# Altium PCB TwoFoot_PCB_m4T1Top2.PcbDoc (part 8 of 9)
Units mil, origin at the board's own origin, x right, y up, seen from the top; angles counter-clockwise.
Board outline 2525.58 x 2682.53 mil, 2 copper layers (Top Layer, Bottom Layer); 83 components, 113 nets, 349 pads, 87 vias.
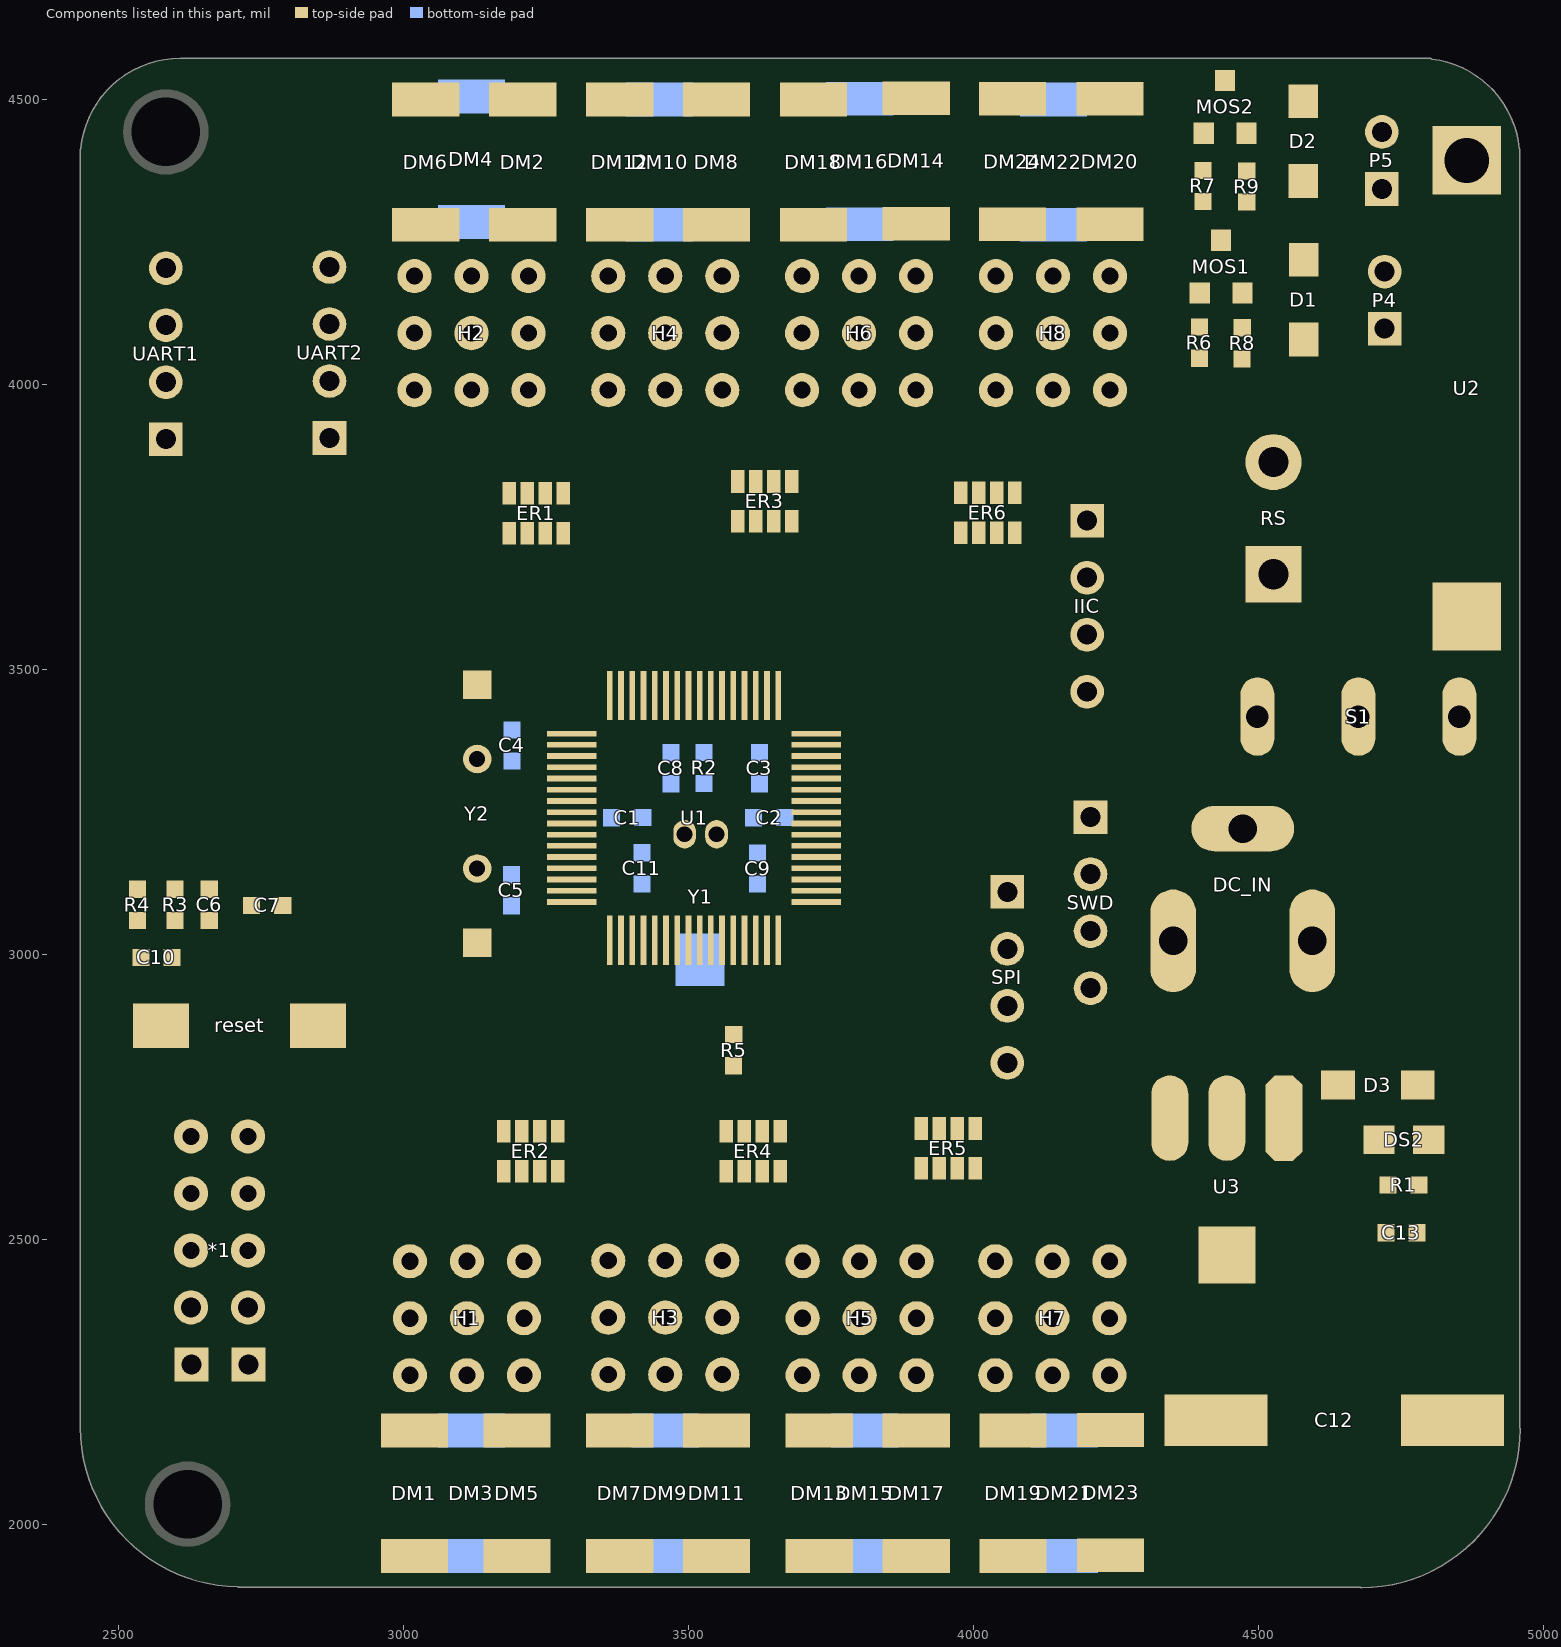
[diagram p8: the components of this part, seen from the top]

## Via types
v1: diameter 24, hole 12, Top Layer to Bottom Layer, 65 vias
v2: diameter 30, hole 20, Top Layer to Bottom Layer, 8 vias
v3: diameter 20, hole 15, Top Layer to Bottom Layer, 8 vias
v4: diameter 32, hole 15, Top Layer to Bottom Layer, 3 vias
v5: diameter 60, hole 45, Top Layer to Bottom Layer, 1 vias
v6: diameter 50, hole 35, Top Layer to Bottom Layer, 1 vias
v7: diameter 30, hole 15, Top Layer to Bottom Layer, 1 vias

## Nets (pads, with @x,y where several pads share a name; then routed paths per layer and width w, separated by ;. In a path a pad name is that pad's centre, name@x,y a point inside that pad or via, vN(x,y) a via of type N, cw(c..) or ccw(c..) an arc to the next point about the centre after c; other vN are vias at no path point) (continued)
copper on no net: (continued)
  Bottom Layer w1: 2536.6,3312.4 2550.6,3312.4 ; 2536.6,3313.4 2630.6,3313.4 ; 2536.6,3314.4 2630.6,3314.4 ; 2536.6,3315.4 2545.6,3315.4 ; 2536.6,3316.4 2543.6,3316.4 ; 2536.6,3317.4 2542.6,3317.4 ; 2536.6,3318.4 2542.6,3318.4 ; 2536.6,3319.4 2541.6,3319.4 ; 2536.6,3320.4 2539.6,3320.4 ; 2536.6,3321.4 2539.6,3321.4 ; 2536.6,3322.4 2539.6,3322.4 ; 2536.6,3323.4 2539.6,3323.4 ; 2536.6,3324.4 2538.6,3324.4 ; 2536.6,3325.4 2538.6,3325.4 ; 2536.6,3326.4 2538.6,3326.4 ; 2536.6,3327.4 2538.6,3327.4 ; 2536.6,3328.4 2538.6,3328.4 ; 2536.6,3329.4 2538.6,3329.4 ; 2536.6,3330.4 2538.6,3330.4 ; 2536.6,3331.4 2538.6,3331.4 ; 2536.6,3332.4 2538.6,3332.4 ; 2536.6,3333.4 2538.6,3333.4 ; 2536.6,3334.4 2538.6,3334.4 ; 2536.6,3335.4 2538.6,3335.4 ; 2536.6,3336.4 2538.6,3336.4 ; 2536.6,3337.4 2538.6,3337.4 ; 2536.6,3338.4 2538.6,3338.4 ; 2536.6,3339.4 2538.6,3339.4 ; 2536.6,3340.4 2538.6,3340.4 ; 2536.6,3341.4 2538.6,3341.4 ; 2536.6,3342.4 2538.6,3342.4 ; 2536.6,3343.4 2538.6,3343.4 ; 2536.6,3344.4 2538.6,3344.4 ; 2536.6,3345.4 2538.6,3345.4 ; 2536.6,3346.4 2538.6,3346.4 ; 2536.6,3347.4 2538.6,3347.4 ; 2536.6,3348.4 2538.6,3348.4 ; 2536.6,3349.4 2538.6,3349.4 ; 2536.6,3350.4 2538.6,3350.4 ; 2536.6,3351.4 2538.6,3351.4 ; 2536.6,3352.4 2538.6,3352.4 ; 2536.6,3353.4 2538.6,3353.4 ; 2536.6,3354.4 2538.6,3354.4 ; 2536.6,3355.4 2538.6,3355.4 ; 2536.6,3356.4 2538.6,3356.4 ; 2536.6,3357.4 2538.6,3357.4 ; 2536.6,3358.4 2538.6,3358.4 ; 2536.6,3359.4 2538.6,3359.4 ; 2536.6,3360.4 2538.6,3360.4 ; 2536.6,3361.4 2538.6,3361.4 ; 2536.6,3362.4 2539.6,3362.4 ; 2536.6,3363.4 2539.6,3363.4 ; 2536.6,3364.4 2539.6,3364.4 ; 2536.6,3365.4 2539.6,3365.4 ; 2536.6,3366.4 2541.6,3366.4 ; 2536.6,3367.4 2541.6,3367.4 ; 2536.6,3368.4 2542.6,3368.4 ; 2536.6,3369.4 2543.6,3369.4 ; 2536.6,3370.4 2543.6,3370.4 ; 2536.6,3371.4 2544.6,3371.4 ; 2536.6,3372.4 2550.6,3372.4 ; 2536.6,3373.4 2670.6,3373.4 ; 2536.6,3374.4 2671.6,3374.4 ; 2536.6,3375.4 2671.6,3375.4 ; 2536.6,3376.4 2671.6,3376.4 ; 2536.6,3377.4 2673.6,3377.4 ; 2536.6,3378.4 2674.6,3378.4 ; 2536.6,3379.4 2674.6,3379.4 ; 2536.6,3380.4 2675.6,3380.4 ; 2536.6,3381.4 2676.6,3381.4 ; 2536.6,3382.4 2676.6,3382.4 ; 2536.6,3383.4 2676.6,3383.4 ; 2536.6,3384.4 2676.6,3384.4 ; 2536.6,3385.4 2676.6,3385.4 ; 2536.6,3386.4 2675.6,3386.4 ; 2536.6,3387.4 2675.6,3387.4 ; 2536.6,3388.4 2674.6,3388.4 ; 2536.6,3389.4 2674.6,3389.4 ; 2536.6,3390.4 2673.6,3390.4 ; 2536.6,3391.4 2671.6,3391.4 ; 2536.6,3392.4 2671.6,3392.4 ; 2536.6,3393.4 2671.6,3393.4 ; 2536.6,3394.4 2670.6,3394.4 ; 2536.6,3395.4 2669.6,3395.4 ; 2536.6,3396.4 2669.6,3396.4 ; 2538.6,3473.4 2539.6,3473.4 ; 2538.6,3474.4 2541.6,3474.4 ; 2538.6,3475.4 2542.6,3475.4 ; 2538.6,3476.4 2542.6,3476.4 ; 2538.6,3477.4 2543.6,3477.4 ; 2538.6,3478.4 2544.6,3478.4 ; 2538.6,3479.4 2545.6,3479.4 ; 2538.6,3480.4 2546.6,3480.4 ; 2538.6,3481.4 2548.6,3481.4 ; 2538.6,3482.4 2548.6,3482.4 ; 2538.6,3483.4 2549.6,3483.4 ; 2538.6,3484.4 2550.6,3484.4 ; 2538.6,3485.4 2551.6,3485.4 ; 2538.6,3486.4 2552.6,3486.4 ; 2538.6,3487.4 2553.6,3487.4 ; 2538.6,3488.4 2555.6,3488.4 ; 2538.6,3489.4 2555.6,3489.4 ; 2538.6,3490.4 2556.6,3490.4 ; 2538.6,3491.4 2557.6,3491.4 ; 2538.6,3492.4 2558.6,3492.4 ; 2538.6,3493.4 2559.6,3493.4 ; 2538.6,3494.4 2561.6,3494.4 ; 2538.6,3495.4 2562.6,3495.4 ; 2538.6,3496.4 2562.6,3496.4 ; 2538.6,3497.4 2563.6,3497.4 ; 2538.6,3498.4 2564.6,3498.4 ; 2538.6,3499.4 2565.6,3499.4 ; 2538.6,3500.4 2566.6,3500.4 ; 2538.6,3501.4 2568.6,3501.4 ; 2538.6,3502.4 2568.6,3502.4 ; 2538.6,3503.4 2568.6,3503.4 ; 2538.6,3504.4 2570.6,3504.4 ; 2538.6,3505.4 2570.6,3505.4 ; 2538.6,3506.4 2571.6,3506.4 ; 2538.6,3507.4 2572.6,3507.4 ; 2538.6,3508.4 2574.6,3508.4 ; 2538.6,3509.4 2574.6,3509.4 ; 2538.6,3510.4 2575.6,3510.4 ; 2538.6,3511.4 2576.6,3511.4 ; 2538.6,3512.4 2577.6,3512.4 ; 2538.6,3513.4 2578.6,3513.4 ; 2538.6,3514.4 2579.6,3514.4 ; 2538.6,3515.4 2581.6,3515.4 ; 2538.6,3516.4 2581.6,3516.4 ; 2538.6,3517.4 2582.6,3517.4 ; 2538.6,3518.4 2583.6,3518.4 ; 2538.6,3519.4 2584.6,3519.4 ; 2538.6,3520.4 2585.6,3520.4 ; 2538.6,3521.4 2586.6,3521.4 ; 2538.6,3522.4 2586.6,3522.4 ; 2538.6,3523.4 2588.6,3523.4 ; 2538.6,3524.4 2589.6,3524.4 ; 2538.6,3525.4 2590.6,3525.4 ; 2538.6,3526.4 2591.6,3526.4 ; 2538.6,3527.4 2628.6,3527.4 ; 2538.6,3528.4 2627.6,3528.4 ; 2538.6,3529.4 2627.6,3529.4 ; 2538.6,3530.4 2625.6,3530.4 ; 2538.6,3531.4 2625.6,3531.4 ; 2538.6,3532.4 2624.6,3532.4 ; 2538.6,3533.4 2624.6,3533.4 ; 2538.6,3534.4 2623.6,3534.4 ; 2538.6,3535.4 2622.6,3535.4 ; 2538.6,3536.4 2622.6,3536.4 ; 2538.6,3537.4 2621.6,3537.4 ; 2538.6,3538.4 2621.6,3538.4 ; 2538.6,3539.4 2621.6,3539.4 ; 2538.6,3540.4 2620.6,3540.4 ; 2538.6,3541.4 2618.6,3541.4 ; 2538.6,3542.4 2617.6,3542.4 ; 2538.6,3543.4 2617.6,3543.4 ; 2538.6,3544.4 2616.6,3544.4 ; 2538.6,3545.4 2616.6,3545.4 ; 2538.6,3546.4 2616.6,3546.4 ; 2538.6,3547.4 2615.6,3547.4 ; 2538.6,3548.4 2614.6,3548.4 ; 2538.6,3549.4 2614.6,3549.4 ; 2538.6,3550.4 2612.6,3550.4 ; 2538.6,3551.4 2611.6,3551.4 ; 2538.6,3552.4 2611.6,3552.4 ; 2538.6,3553.4 2611.6,3553.4 ; 2538.6,3554.4 2610.6,3554.4 ; 2538.6,3555.4 2609.6,3555.4 ; 2538.6,3556.4 2608.6,3556.4 ; 2538.6,3557.4 2608.6,3557.4 ; 2538.6,3558.4 2607.6,3558.4 ; 2538.6,3559.4 2607.6,3559.4 ; 2538.6,3560.4 2607.6,3560.4 ; 2538.6,3561.4 2605.6,3561.4 ; 2538.6,3562.4 2604.6,3562.4 ; 2538.6,3563.4 2603.6,3563.4 ; 2538.6,3564.4 2603.6,3564.4 ; 2538.6,3565.4 2602.6,3565.4 ; 2538.6,3566.4 2602.6,3566.4 ; 2538.6,3574.4 2636.6,3574.4 ; 2538.6,3575.4 2635.6,3575.4 ; 2538.6,3576.4 2635.6,3576.4 ; 2538.6,3577.4 2634.6,3577.4 ; 2538.6,3578.4 2632.6,3578.4 ; 2538.6,3579.4 2632.6,3579.4 ; 2538.6,3580.4 2631.6,3580.4 ; 2538.6,3581.4 2631.6,3581.4 ; 2538.6,3582.4 2630.6,3582.4 ; 2538.6,3583.4 2629.6,3583.4 ; 2538.6,3584.4 2629.6,3584.4 ; 2538.6,3585.4 2628.6,3585.4 ; 2538.6,3586.4 2628.6,3586.4 ; 2538.6,3587.4 2627.6,3587.4 ; 2538.6,3588.4 2627.6,3588.4 ; 2538.6,3589.4 2625.6,3589.4 ; 2538.6,3590.4 2624.6,3590.4 ; 2538.6,3591.4 2624.6,3591.4 ; 2538.6,3592.4 2624.6,3592.4 ; 2538.6,3593.4 2623.6,3593.4 ; 2538.6,3601.4 2664.6,3601.4 ; 2538.6,3602.4 2664.6,3602.4 ; 2538.6,3603.4 2666.6,3603.4 ; 2538.6,3604.4 2667.6,3604.4 ; 2538.6,3605.4 2668.6,3605.4 ; 2538.6,3606.4 2669.6,3606.4 ; 2538.6,3607.4 2670.6,3607.4 ; 2538.6,3608.4 2670.6,3608.4 ; 2538.6,3609.4 2671.6,3609.4 ; 2538.6,3610.4 2673.6,3610.4 ; 2538.6,3611.4 2674.6,3611.4 ; 2538.6,3612.4 2675.6,3612.4 ; 2538.6,3613.4 2676.6,3613.4 ; 2538.6,3614.4 2677.6,3614.4 ; 2538.6,3615.4 2677.6,3615.4 ; 2538.6,3616.4 2678.6,3616.4 ; 2538.6,3617.4 2680.6,3617.4 ; 2538.6,3618.4 2681.6,3618.4 ; 2538.6,3619.4 2682.6,3619.4 ; 2538.6,3620.4 2683.6,3620.4 ; 2538.6,3621.4 2684.6,3621.4 ; 2538.6,3622.4 2684.6,3622.4 ; 2538.6,3623.4 2686.6,3623.4 ; 2538.6,3624.4 2687.6,3624.4 ; 2538.6,3625.4 2688.6,3625.4 ; 2538.6,3626.4 2689.6,3626.4 ; 2538.6,3627.4 2690.6,3627.4 ; 2538.6,3628.4 2690.6,3628.4 ; 2538.6,3629.4 2691.6,3629.4 ; 2538.6,3630.4 2693.6,3630.4 ; 2538.6,3631.4 2693.6,3631.4 ; 2538.6,3632.4 2694.6,3632.4 ; 2538.6,3633.4 2696.6,3633.4 ; 2538.6,3634.4 2696.6,3634.4 ; 2538.6,3635.4 2696.6,3635.4 ; 2538.6,3636.4 2697.6,3636.4 ; 2538.6,3637.4 2699.6,3637.4 ; 2538.6,3638.4 2700.6,3638.4 ; 2538.6,3639.4 2700.6,3639.4 ; 2545.6,3331.4 2564.6,3331.4 ; 2545.6,3332.4 2564.6,3332.4 ; 2545.6,3333.4 2565.6,3333.4 ; 2545.6,3334.4 2565.6,3334.4 ; 2545.6,3335.4 2565.6,3335.4 ; 2545.6,3336.4 2565.6,3336.4 ; 2545.6,3349.4 2559.6,3349.4 ; 2545.6,3350.4 2559.6,3350.4 ; 2545.6,3351.4 2559.6,3351.4 ; 2545.6,3352.4 2559.6,3352.4 ; 2545.6,3353.4 2559.6,3353.4 ; 2545.6,3354.4 2559.6,3354.4 ; 2545.6,3355.4 2559.6,3355.4 ; 2546.6,3329.4 2564.6,3329.4 ; 2546.6,3330.4 2564.6,3330.4 ; 2546.6,3348.4 2548.6,3348.4 ; 2546.6,3356.4 2559.6,3356.4 ; 2546.6,3357.4 2558.6,3357.4 ; 2549.6,3348.4 2552.6,3348.4 ; 2551.6,3312.4 2571.6,3312.4 ; 2553.6,3348.4 2555.6,3348.4 ; 2555.6,3372.4 2572.6,3372.4 ; 2558.6,3337.4 2565.6,3337.4 ; 2561.6,3338.4 2565.6,3338.4 ; 2561.6,3371.4 2570.6,3371.4 ; 2562.6,3339.4 2566.6,3339.4 ; 2562.6,3340.4 2566.6,3340.4 ; 2562.6,3369.4 2569.6,3369.4 ; 2562.6,3370.4 2569.6,3370.4 ; 2564.6,3341.4 2568.6,3341.4 ; 2564.6,3367.4 2568.6,3367.4 ; 2564.6,3368.4 2568.6,3368.4 ; 2565.6,3315.4 2571.6,3315.4 ; 2565.6,3316.4 2570.6,3316.4 ; 2565.6,3317.4 2569.6,3317.4 ; 2565.6,3318.4 2568.6,3318.4 ; 2565.6,3342.4 2568.6,3342.4 ; 2565.6,3343.4 2568.6,3343.4 ; 2565.6,3344.4 2568.6,3344.4 ; 2565.6,3366.4 2566.6,3366.4 ; 2566.6,3319.4 2568.6,3319.4 ; 2572.6,3331.4 2586.6,3331.4 ; 2572.6,3332.4 2586.6,3332.4 ; 2572.6,3333.4 2586.6,3333.4 ; 2572.6,3334.4 2586.6,3334.4 ; 2572.6,3335.4 2586.6,3335.4 ; 2572.6,3351.4 2586.6,3351.4 ; 2572.6,3352.4 2586.6,3352.4 ; 2572.6,3353.4 2586.6,3353.4 ; 2572.6,3354.4 2586.6,3354.4 ; 2572.6,3355.4 2586.6,3355.4 ; 2573.6,3312.4 2591.6,3312.4 ; 2573.6,3329.4 2585.6,3329.4 ; 2573.6,3330.4 2585.6,3330.4 ; 2573.6,3336.4 2586.6,3336.4 ; 2573.6,3349.4 2586.6,3349.4 ; 2573.6,3350.4 2586.6,3350.4 ; 2573.6,3356.4 2586.6,3356.4 ; 2573.6,3357.4 2585.6,3357.4 ; 2573.6,3397.4 2668.6,3397.4 ; 2573.6,3398.4 2667.6,3398.4 ; 2574.6,3399.4 2667.6,3399.4 ; 2574.6,3400.4 2667.6,3400.4 ; 2575.6,3337.4 2577.6,3337.4 ; 2575.6,3348.4 2578.6,3348.4 ; 2575.6,3401.4 2666.6,3401.4 ; 2575.6,3402.4 2664.6,3402.4 ; 2577.6,3372.4 2609.6,3372.4 ; 2577.6,3403.4 2664.6,3403.4 ; 2578.6,3337.4 2579.6,3337.4 ; 2578.6,3404.4 2663.6,3404.4 ; 2579.6,3348.4 2583.6,3348.4 ; 2579.6,3405.4 2662.6,3405.4 ; 2579.6,3406.4 2662.6,3406.4 ; 2579.6,3407.4 2662.6,3407.4 ; 2580.6,3337.4 2583.6,3337.4 ; 2580.6,3408.4 2661.6,3408.4 ; 2580.6,3409.4 2660.6,3409.4 ; 2581.6,3410.4 2660.6,3410.4 ; 2582.6,3411.4 2658.6,3411.4 ; 2582.6,3412.4 2657.6,3412.4 ; 2582.6,3413.4 2657.6,3413.4 ; 2584.6,3414.4 2657.6,3414.4 ; 2585.6,3415.4 2656.6,3415.4 ; 2585.6,3416.4 2655.6,3416.4 ; 2586.6,3417.4 2655.6,3417.4 ; 2587.6,3315.4 2599.6,3315.4 ; 2587.6,3418.4 2654.6,3418.4 ; 2587.6,3419.4 2653.6,3419.4 ; 2587.6,3420.4 2653.6,3420.4 ; 2588.6,3371.4 2598.6,3371.4 ; 2588.6,3421.4 2653.6,3421.4 ; 2590.6,3316.4 2597.6,3316.4 ; 2590.6,3317.4 2597.6,3317.4 ; 2590.6,3369.4 2597.6,3369.4 ; 2590.6,3370.4 2597.6,3370.4 ; 2590.6,3422.4 2651.6,3422.4 ; 2590.6,3423.4 2650.6,3423.4 ; 2591.6,3318.4 2596.6,3318.4 ; 2591.6,3342.4 2592.6,3342.4 ; 2591.6,3343.4 2592.6,3343.4 ; 2591.6,3344.4 2592.6,3344.4 ; 2591.6,3367.4 2595.6,3367.4 ; 2591.6,3368.4 2596.6,3368.4 ; 2591.6,3424.4 2650.6,3424.4 ; 2592.6,3312.4 2597.6,3312.4 ; 2592.6,3319.4 2595.6,3319.4 ; 2592.6,3320.4 2595.6,3320.4 ; 2592.6,3321.4 2595.6,3321.4 ; 2592.6,3366.4 2595.6,3366.4 ; 2592.6,3425.4 2649.6,3425.4 ; 2592.6,3426.4 2648.6,3426.4 ; 2592.6,3427.4 2648.6,3427.4 ; 2592.6,3526.4 2629.6,3526.4 ; 2593.6,3428.4 2647.6,3428.4 ; 2593.6,3525.4 2629.6,3525.4 ; 2594.6,3429.4 2647.6,3429.4 ; 2594.6,3430.4 2645.6,3430.4 ; 2594.6,3524.4 2630.6,3524.4 ; 2595.6,3431.4 2644.6,3431.4 ; 2595.6,3521.4 2632.6,3521.4 ; 2595.6,3522.4 2631.6,3522.4 ; 2595.6,3523.4 2630.6,3523.4 ; 2597.6,3432.4 2644.6,3432.4 ; 2597.6,3433.4 2644.6,3433.4 ; 2597.6,3434.4 2643.6,3434.4 ; 2597.6,3520.4 2632.6,3520.4 ; 2598.6,3312.4 2628.6,3312.4 ; 2598.6,3435.4 2643.6,3435.4 ; 2598.6,3518.4 2634.6,3518.4 ; 2598.6,3519.4 2634.6,3519.4 ; 2599.6,3332.4 2621.6,3332.4 ; 2599.6,3333.4 2621.6,3333.4 ; 2599.6,3334.4 2621.6,3334.4 ; 2599.6,3335.4 2621.6,3335.4 ; 2599.6,3336.4 2621.6,3336.4 ; 2599.6,3348.4 2601.6,3348.4 ; 2599.6,3349.4 2614.6,3349.4 ; 2599.6,3350.4 2614.6,3350.4 ; 2599.6,3351.4 2614.6,3351.4 ; 2599.6,3352.4 2615.6,3352.4 ; 2599.6,3353.4 2615.6,3353.4 ; 2599.6,3354.4 2615.6,3354.4 ; 2599.6,3355.4 2614.6,3355.4 ; 2599.6,3436.4 2642.6,3436.4 ; 2599.6,3437.4 2641.6,3437.4 ; 2599.6,3517.4 2635.6,3517.4 ; 2600.6,3329.4 2621.6,3329.4 ; 2600.6,3330.4 2621.6,3330.4 ; 2600.6,3331.4 2621.6,3331.4 ; 2600.6,3356.4 2614.6,3356.4 ; 2600.6,3357.4 2614.6,3357.4 ; 2600.6,3438.4 2640.6,3438.4 ; 2600.6,3514.4 2637.6,3514.4 ; 2600.6,3515.4 2636.6,3515.4 ; 2600.6,3516.4 2635.6,3516.4 ; 2601.6,3439.4 2640.6,3439.4 ; 2601.6,3440.4 2640.6,3440.4 ; 2601.6,3441.4 2638.6,3441.4 ; 2601.6,3513.4 2637.6,3513.4 ; 2603.6,3348.4 2612.6,3348.4 ; 2603.6,3442.4 2637.6,3442.4 ; 2603.6,3511.4 2638.6,3511.4 ; 2603.6,3512.4 2637.6,3512.4 ; 2603.6,3573.4 2636.6,3573.4 ; 2604.6,3443.4 2637.6,3443.4 ; 2604.6,3444.4 2636.6,3444.4 ; 2604.6,3508.4 2641.6,3508.4 ; 2604.6,3509.4 2640.6,3509.4 ; 2604.6,3510.4 2640.6,3510.4 ; 2604.6,3572.4 2637.6,3572.4 ; 2605.6,3337.4 2621.6,3337.4 ; 2605.6,3445.4 2635.6,3445.4 ; 2605.6,3446.4 2635.6,3446.4 ; 2605.6,3507.4 2642.6,3507.4 ; 2605.6,3570.4 2638.6,3570.4 ; 2605.6,3571.4 2637.6,3571.4 ; 2606.6,3447.4 2635.6,3447.4 ; 2606.6,3448.4 2634.6,3448.4 ; 2606.6,3505.4 2642.6,3505.4 ; 2606.6,3506.4 2642.6,3506.4 ; 2606.6,3568.4 2640.6,3568.4 ; 2606.6,3569.4 2640.6,3569.4 ; 2607.6,3449.4 2632.6,3449.4 ; 2607.6,3504.4 2643.6,3504.4 ; 2607.6,3566.4 2642.6,3566.4 ; 2607.6,3567.4 2641.6,3567.4 ; 2608.6,3450.4 2632.6,3450.4 ; 2608.6,3451.4 2631.6,3451.4 ; 2608.6,3503.4 2644.6,3503.4 ; 2608.6,3565.4 2642.6,3565.4 ; 2610.6,3372.4 2623.6,3372.4 ; 2610.6,3452.4 2630.6,3452.4 ; 2610.6,3453.4 2630.6,3453.4 ; 2610.6,3500.4 2647.6,3500.4 ; 2610.6,3501.4 2645.6,3501.4 ; 2610.6,3502.4 2644.6,3502.4 ; 2610.6,3563.4 2643.6,3563.4 ; 2610.6,3564.4 2642.6,3564.4 ; 2611.6,3454.4 2630.6,3454.4 ; 2611.6,3455.4 2629.6,3455.4 ; 2611.6,3499.4 2647.6,3499.4 ; 2611.6,3561.4 2644.6,3561.4 ; 2611.6,3562.4 2643.6,3562.4 ; 2612.6,3456.4 2628.6,3456.4 ; 2612.6,3497.4 2648.6,3497.4 ; 2612.6,3498.4 2647.6,3498.4 ; 2612.6,3560.4 2645.6,3560.4 ; 2613.6,3457.4 2628.6,3457.4 ; 2613.6,3458.4 2627.6,3458.4 ; 2613.6,3494.4 2650.6,3494.4 ; 2613.6,3495.4 2649.6,3495.4 ; 2613.6,3496.4 2649.6,3496.4 ; 2613.6,3558.4 2645.6,3558.4 ; 2613.6,3559.4 2645.6,3559.4 ; 2614.6,3459.4 2625.6,3459.4 ; 2614.6,3460.4 2625.6,3460.4 ; 2614.6,3461.4 2625.6,3461.4 ; 2614.6,3493.4 2651.6,3493.4 ; 2614.6,3556.4 2648.6,3556.4 ; 2614.6,3557.4 2647.6,3557.4 ; 2615.6,3338.4 2621.6,3338.4 ; 2615.6,3492.4 2651.6,3492.4 ; 2615.6,3554.4 2649.6,3554.4 ; 2615.6,3555.4 2648.6,3555.4 ; 2617.6,3369.4 2621.6,3369.4 ; 2617.6,3370.4 2621.6,3370.4 ; 2617.6,3371.4 2621.6,3371.4 ; 2617.6,3462.4 2624.6,3462.4 ; 2617.6,3463.4 2623.6,3463.4 ; 2617.6,3490.4 2653.6,3490.4 ; 2617.6,3491.4 2651.6,3491.4 ; 2617.6,3552.4 2650.6,3552.4 ; 2617.6,3553.4 2650.6,3553.4 ; 2618.6,3339.4 2621.6,3339.4 ; 2618.6,3340.4 2621.6,3340.4 ; 2618.6,3341.4 2621.6,3341.4 ; 2618.6,3367.4 2621.6,3367.4 ; 2618.6,3368.4 2621.6,3368.4 ; 2618.6,3464.4 2623.6,3464.4 ; 2618.6,3465.4 2622.6,3465.4 ; 2618.6,3466.4 2622.6,3466.4 ; 2618.6,3487.4 2655.6,3487.4 ; 2618.6,3488.4 2654.6,3488.4 ; 2618.6,3489.4 2654.6,3489.4 ; 2618.6,3551.4 2650.6,3551.4 ; 2619.6,3315.4 2622.6,3315.4 ; 2619.6,3328.4 2621.6,3328.4 ; 2619.6,3342.4 2621.6,3342.4 ; 2619.6,3343.4 2621.6,3343.4 ; 2619.6,3366.4 2621.6,3366.4 ; 2619.6,3467.4 2621.6,3467.4 ; 2619.6,3486.4 2656.6,3486.4 ; 2619.6,3548.4 2653.6,3548.4 ; 2619.6,3549.4 2653.6,3549.4 ; 2619.6,3550.4 2651.6,3550.4 ; 2620.6,3485.4 2656.6,3485.4 ; 2620.6,3547.4 2654.6,3547.4 ; 2621.6,3483.4 2657.6,3483.4 ; 2621.6,3484.4 2656.6,3484.4 ; 2621.6,3545.4 2655.6,3545.4 ; 2621.6,3546.4 2655.6,3546.4 ; 2623.6,3480.4 2660.6,3480.4 ; 2623.6,3481.4 2658.6,3481.4 ; 2623.6,3482.4 2658.6,3482.4 ; 2623.6,3544.4 2655.6,3544.4 ; 2623.6,3600.4 2663.6,3600.4 ; 2624.6,3372.4 2669.6,3372.4 ; 2624.6,3479.4 2660.6,3479.4 ; 2624.6,3543.4 2656.6,3543.4 ; 2625.6,3477.4 2661.6,3477.4 ; 2625.6,3478.4 2661.6,3478.4 ; 2625.6,3540.4 2658.6,3540.4 ; 2625.6,3541.4 2657.6,3541.4 ; 2625.6,3542.4 2657.6,3542.4 ; 2625.6,3598.4 2661.6,3598.4 ; 2625.6,3599.4 2662.6,3599.4 ; 2626.6,3475.4 2663.6,3475.4 ; 2626.6,3476.4 2662.6,3476.4 ; 2626.6,3538.4 2660.6,3538.4 ; 2626.6,3539.4 2660.6,3539.4 ; 2626.6,3597.4 2660.6,3597.4 ; 2627.6,3473.4 2664.6,3473.4 ; 2627.6,3474.4 2663.6,3474.4 ; 2627.6,3537.4 2660.6,3537.4 ; 2627.6,3596.4 2660.6,3596.4 ; 2628.6,3315.4 2631.6,3315.4 ; 2628.6,3316.4 2632.6,3316.4 ; 2628.6,3317.4 2632.6,3317.4 ; 2628.6,3318.4 2632.6,3318.4 ; 2628.6,3319.4 2634.6,3319.4 ; 2628.6,3320.4 2635.6,3320.4 ; 2628.6,3321.4 2636.6,3321.4 ; 2628.6,3322.4 2636.6,3322.4 ; 2628.6,3323.4 2636.6,3323.4 ; 2628.6,3324.4 2637.6,3324.4 ; 2628.6,3325.4 2638.6,3325.4 ; 2628.6,3326.4 2638.6,3326.4 ; 2628.6,3327.4 2640.6,3327.4 ; 2628.6,3328.4 2640.6,3328.4 ; 2628.6,3329.4 2641.6,3329.4 ; 2628.6,3330.4 2641.6,3330.4 ; 2628.6,3331.4 2642.6,3331.4 ; 2628.6,3332.4 2643.6,3332.4 ; 2628.6,3333.4 2643.6,3333.4 ; 2628.6,3334.4 2644.6,3334.4 ; 2628.6,3335.4 2645.6,3335.4 ; 2628.6,3336.4 2645.6,3336.4 ; 2628.6,3337.4 2645.6,3337.4 ; 2628.6,3338.4 2647.6,3338.4 ; 2628.6,3339.4 2648.6,3339.4 ; 2628.6,3340.4 2648.6,3340.4 ; 2628.6,3341.4 2649.6,3341.4 ; 2628.6,3342.4 2649.6,3342.4 ; 2628.6,3343.4 2649.6,3343.4 ; 2628.6,3344.4 2650.6,3344.4 ; 2628.6,3345.4 2651.6,3345.4 ; 2628.6,3346.4 2651.6,3346.4 ; 2628.6,3347.4 2653.6,3347.4 ; 2628.6,3348.4 2654.6,3348.4 ; 2628.6,3349.4 2655.6,3349.4 ; 2628.6,3350.4 2655.6,3350.4 ; 2628.6,3351.4 2655.6,3351.4 ; 2628.6,3352.4 2656.6,3352.4 ; 2628.6,3353.4 2657.6,3353.4 ; 2628.6,3354.4 2657.6,3354.4 ; 2628.6,3355.4 2658.6,3355.4 ; 2628.6,3356.4 2658.6,3356.4 ; 2628.6,3357.4 2658.6,3357.4 ; 2628.6,3358.4 2660.6,3358.4 ; 2628.6,3359.4 2661.6,3359.4 ; 2628.6,3360.4 2662.6,3360.4 ; 2628.6,3361.4 2662.6,3361.4 ; 2628.6,3362.4 2663.6,3362.4 ; 2628.6,3363.4 2663.6,3363.4 ; 2628.6,3364.4 2664.6,3364.4 ; 2628.6,3365.4 2664.6,3365.4 ; 2628.6,3366.4 2666.6,3366.4 ; 2628.6,3367.4 2667.6,3367.4 ; 2628.6,3368.4 2667.6,3368.4 ; 2628.6,3369.4 2668.6,3369.4 ; 2628.6,3370.4 2668.6,3370.4 ; 2628.6,3371.4 2669.6,3371.4 ; 2628.6,3471.4 2666.6,3471.4 ; 2628.6,3472.4 2664.6,3472.4 ; 2628.6,3536.4 2661.6,3536.4 ; 2628.6,3593.4 2662.6,3593.4 ; 2628.6,3594.4 2661.6,3594.4 ; 2628.6,3595.4 2660.6,3595.4 ; 2630.6,3470.4 2666.6,3470.4 ; 2630.6,3533.4 2663.6,3533.4 ; 2630.6,3534.4 2662.6,3534.4 ; 2630.6,3535.4 2662.6,3535.4 ; 2630.6,3591.4 2662.6,3591.4 ; 2630.6,3592.4 2662.6,3592.4 ; 2631.6,3468.4 2668.6,3468.4 ; 2631.6,3469.4 2667.6,3469.4 ; 2631.6,3532.4 2663.6,3532.4 ; 2631.6,3590.4 2663.6,3590.4 ; 2632.6,3466.4 2669.6,3466.4 ; 2632.6,3467.4 2668.6,3467.4 ; 2632.6,3530.4 2664.6,3530.4 ; 2632.6,3531.4 2664.6,3531.4 ; 2632.6,3589.4 2664.6,3589.4 ; 2633.6,3465.4 2669.6,3465.4 ; 2633.6,3527.4 2667.6,3527.4 ; 2633.6,3528.4 2667.6,3528.4 ; 2633.6,3529.4 2666.6,3529.4 ; 2633.6,3586.4 2667.6,3586.4 ; 2633.6,3587.4 2666.6,3587.4 ; 2633.6,3588.4 2664.6,3588.4 ; 2634.6,3462.4 2671.6,3462.4 ; 2634.6,3463.4 2670.6,3463.4 ; 2634.6,3464.4 2670.6,3464.4 ; 2634.6,3526.4 2668.6,3526.4 ; 2634.6,3585.4 2667.6,3585.4 ; 2636.6,3460.4 2673.6,3460.4 ; 2636.6,3461.4 2673.6,3461.4 ; 2636.6,3524.4 2669.6,3524.4 ; 2636.6,3525.4 2668.6,3525.4 ; 2636.6,3583.4 2668.6,3583.4 ; 2636.6,3584.4 2667.6,3584.4 ; 2637.6,3459.4 2673.6,3459.4 ; 2637.6,3523.4 2670.6,3523.4 ; 2637.6,3580.4 2670.6,3580.4 ; 2637.6,3581.4 2669.6,3581.4 ; 2637.6,3582.4 2669.6,3582.4 ; 2638.6,3458.4 2674.6,3458.4 ; 2638.6,3520.4 2673.6,3520.4 ; 2638.6,3521.4 2671.6,3521.4 ; 2638.6,3522.4 2670.6,3522.4 ; 2638.6,3579.4 2671.6,3579.4 ; 2639.6,3455.4 2676.6,3455.4 ; 2639.6,3456.4 2675.6,3456.4 ; 2639.6,3457.4 2675.6,3457.4 ; 2639.6,3519.4 2673.6,3519.4 ; 2639.6,3578.4 2671.6,3578.4 ; 2640.6,3454.4 2677.6,3454.4 ; 2640.6,3517.4 2674.6,3517.4 ; 2640.6,3518.4 2673.6,3518.4 ; 2640.6,3576.4 2673.6,3576.4 ; 2640.6,3577.4 2671.6,3577.4 ; 2641.6,3452.4 2677.6,3452.4 ; 2641.6,3453.4 2677.6,3453.4 ; 2641.6,3515.4 2675.6,3515.4 ; 2641.6,3516.4 2674.6,3516.4 ; 2641.6,3574.4 2674.6,3574.4 ; 2641.6,3575.4 2674.6,3575.4 ; 2643.6,3451.4 2678.6,3451.4 ; 2643.6,3513.4 2677.6,3513.4 ; 2643.6,3514.4 2676.6,3514.4 ; 2643.6,3572.4 2676.6,3572.4 ; 2643.6,3573.4 2675.6,3573.4 ; 2644.6,3448.4 2681.6,3448.4 ; 2644.6,3449.4 2680.6,3449.4 ; 2644.6,3450.4 2680.6,3450.4 ; 2644.6,3512.4 2677.6,3512.4 ; 2644.6,3570.4 2676.6,3570.4 ; 2644.6,3571.4 2676.6,3571.4 ; 2645.6,3447.4 2682.6,3447.4 ; 2645.6,3510.4 2678.6,3510.4 ; 2645.6,3511.4 2677.6,3511.4 ; 2645.6,3568.4 2678.6,3568.4 ; 2645.6,3569.4 2677.6,3569.4 ; 2646.6,3445.4 2683.6,3445.4 ; 2646.6,3446.4 2683.6,3446.4 ; 2646.6,3508.4 2680.6,3508.4 ; 2646.6,3509.4 2678.6,3509.4 ; 2646.6,3567.4 